# KiCad board Z280-SBC.kicad_pcb (continued)
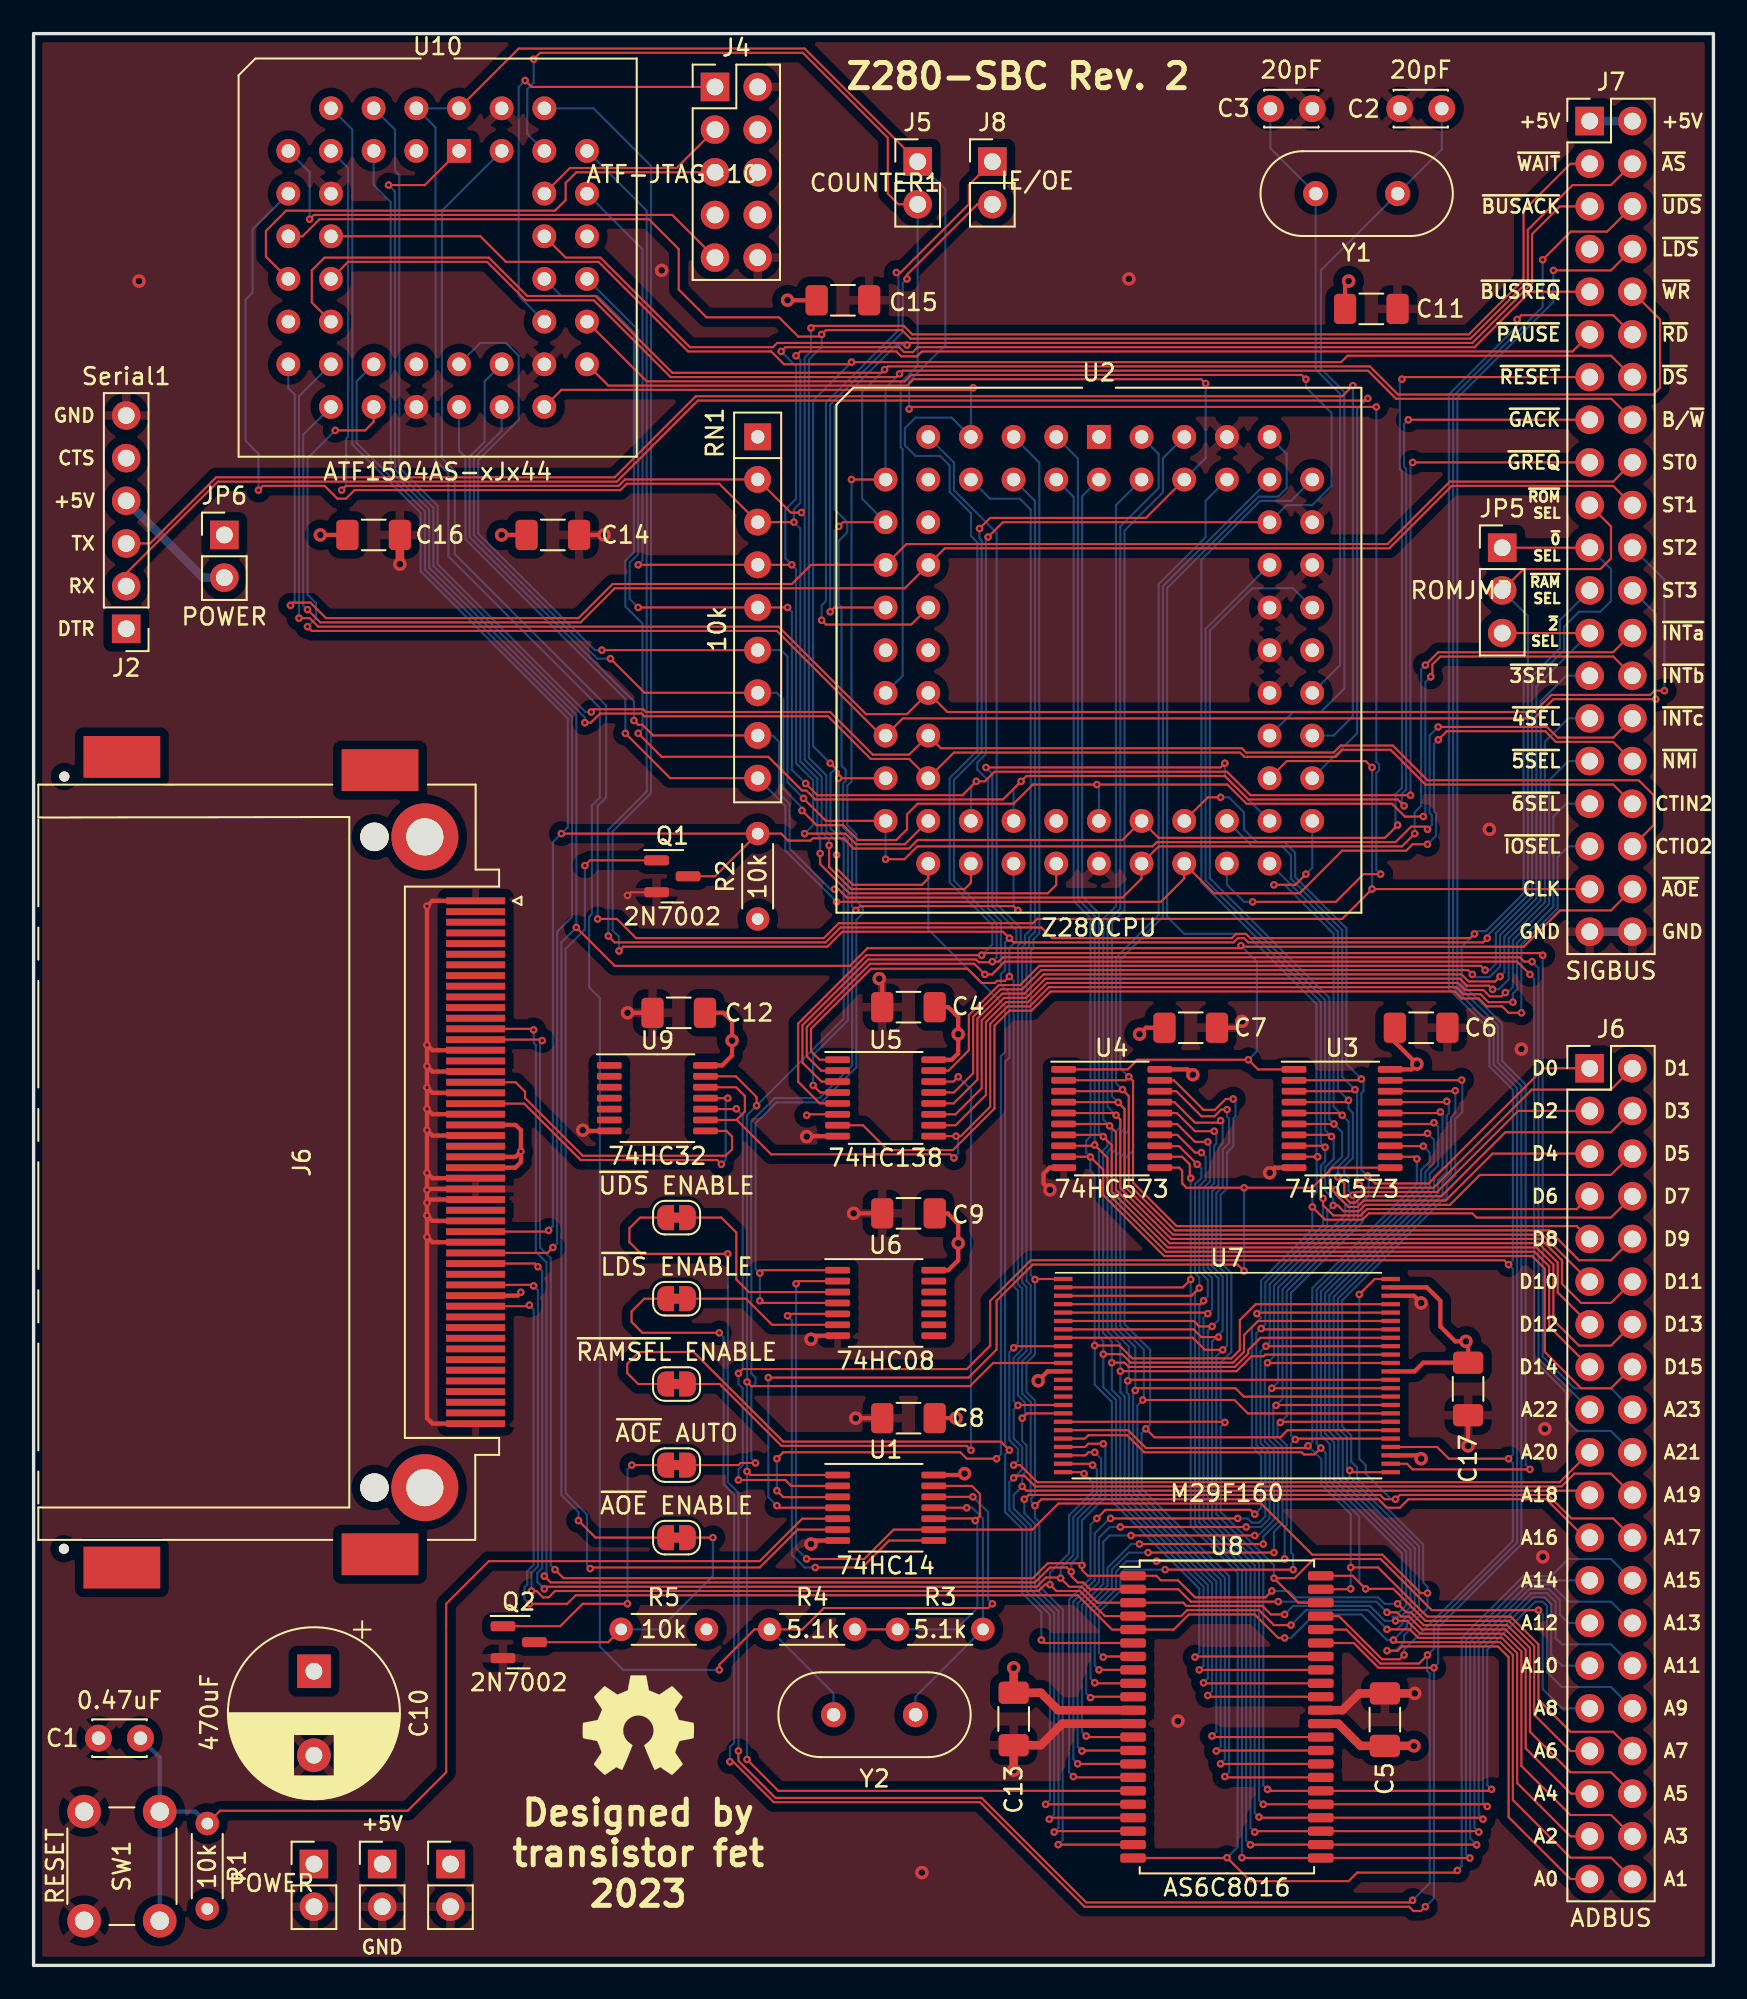
[diagram p0: board, top side]
## Routing (per net, layer and track width the routed paths; a pad name or vN(x,y) marks a point on that pad's centre or on a via; arc(x,y) is an arc through that point) (continued)
~{BUSACK}: length 161.4
  Top w0.127: U10.36 31.67,101.66 33.74,101.66 39.07,96.33 44.02,96.33 44.27,96.58 51.87,96.58 v1(51.99,96.46) 52.12,96.58 85.65,96.58 89.2,100.14 89.2,103.06 90.86,104.71 J7.5 ; v1(48.95,62.8) 49.2,63.06 58.34,63.06 v1(58.6,62.8) ; v1(42.98,29.91) 42.09,29.91 41.96,29.78 JP7.2
  Bottom w0.127: v1(51.99,96.46) 51.35,96.46 47.68,92.79 47.68,86.68 48.44,85.92 48.44,85.3 47.93,84.8 47.93,81.02 48.09,80.86 48.09,71.43 48.35,71.17 48.35,70.5 48.18,70.34 48.18,67.76 48.73,67.21 48.73,63.02 v1(48.95,62.8) 48.73,62.59 48.73,53.57 46.79,51.63 44.12,51.63 42.72,50.23 42.72,35.24 42.98,34.99 42.98,34.65 42.72,34.4 42.72,30.16 v1(42.98,29.91) ; v1(58.6,62.8) 58.34,63.06 U2.31
~{BUSREQ}: length 121
  Top w0.127: v1(44.5,96.08) 44.76,96.33 51.53,96.33 51.82,96.04 52.34,96.04 52.63,96.33 85.78,96.33 89.08,99.63 J7.9 ; v1(45.9,67.37) 48.33,67.37 48.97,66.74 51.87,66.74 U2.28 ; v1(45.14,83.38) RN1.4 v1(35.99,83.38)
  Bottom w0.127: U10.37 36.25,102.17 36.25,83.63 v1(35.99,83.38) ; v1(45.9,67.37) 46.41,67.88 46.41,70.55 45.39,71.57 45.39,83.12 v1(45.14,83.38) 44.76,83.76 44.76,86.68 45.39,87.31 45.39,95.19 v1(44.5,96.08)
~{DS}: length 131.5
  Top w0.127: J7.14 93.9,95.82 78.22,95.82 77.84,95.44 v1(48.69,95.44) 48.57,95.31 44.67,95.31 43.91,96.08 38.97,96.08 33.63,101.41 28.12,101.41 26.59,102.93 U10.12 ; U5.4 46.83,51.96 v1(46.41,52.39) ; v1(47.42,71.57) 47.93,71.06 v1(47.93,70.68) 47.93,70.67 50.72,70.67
  Bottom w0.127: v1(46.41,52.39) 46.41,54.19 48.47,56.26 48.47,67.01 47.93,67.55 47.93,70.67 ; v1(48.69,95.44) 46.41,93.16 46.41,72.58 v1(47.42,71.57)
~{GACK}: length 116.4
  Top w0.127: v1(81.84,92.01) J7.15 ; v1(81.59,69.03) 81.2,69.41 72.31,69.41 70.92,70.8 59.11,70.8 v1(58.79,70.49) 57.71,69.41 46.53,69.41 46,69.94 45.74,69.94 43.74,71.95 37.39,71.95 v1(35.99,73.34)
  Bottom w0.127: U2.32 58.34,70.04 v1(58.79,70.49) ; v1(35.99,73.34) 36.25,73.6 36.25,79.88 35.23,80.9 35.23,83.61 35.74,84.12 35.74,97.22 33.58,99.38 31.42,99.38 U10.34 ; v1(81.84,92.01) 81.59,91.76 81.59,89.22 81.71,89.09 81.71,70 81.46,69.74 81.46,69.15 v1(81.59,69.03)
~{GREQ}: length 111.4
  Top w0.127: v1(45.96,70.36) 46.66,69.66 55.3,69.66 v1(56.12,70.49) 56.63,70.49 57.2,71.06 71.04,71.06 72.44,69.66 v1(81.97,69.66) ; v1(44.88,80.84) RN1.5 v1(35.99,80.84) ; v1(82.09,89.47) J7.17
  Bottom w0.127: v1(45.96,70.36) 45.14,71.18 45.14,80.58 v1(44.88,80.84) ; v1(82.09,89.47) 81.97,89.35 v1(81.97,69.66) ; v1(56.12,70.49) 55.8,70.16 U2.30 ; v1(35.99,80.84) 35.48,81.34 35.48,83.5 35.99,84.01 35.99,97.35 U10.33
~{IE}: length 38.6
  Top w0.127: v1(46.91,80.07) 47.17,79.82 52.25,79.82 53.26,80.83 ; J8.1 55.68,105.98 55.68,104.84 51.61,100.78 v1(51.36,100.78)
  Bottom w0.127: v1(46.91,80.07) 46.91,80.96 47.17,81.22 47.17,93.03 51.49,97.35 51.49,100.65 v1(51.36,100.78)
~{INTa}: length 105.7
  Top w0.127: v1(47.68,64.06) 47.92,64.06 48.42,63.56 64.82,63.56 65.96,64.7 U2.37 66.98,66.61 81.46,66.61 v1(82.22,67.37) ; v1(35.74,74.11) 35.99,73.85 36.25,73.85 36.88,73.22 RN1.8 ; v1(82.85,77.41) 83.62,78.17 94.03,78.17 J7.26
  Bottom w0.127: v1(35.74,74.11) 35.74,75.25 25.96,85.03 25.96,89.81 26.85,90.7 26.85,94.3 U10.27 ; v1(82.22,67.37) 82.22,68.64 82.6,69.03 82.6,77.15 v1(82.85,77.41) ; RN1.8 43.99,73.22 44.37,72.84 44.37,69.77 45.01,69.13 45.01,66.49 47.43,64.06 v1(47.68,64.06)
~{INTb}: length 102.3
  Top w0.127: RN1.7 36.37,75.76 v1(34.34,77.79) ; v1(45.74,68.75) 46.61,67.88 48.19,67.88 49.07,66.99 51.36,66.99 51.99,67.63 51.99,68.52 52.63,69.15 58.34,69.15 59.49,70.3 v1(63.3,70.3) 71.07,70.3 72.21,69.15 80.87,69.15 81.63,68.39 v1(82.73,68.39) ; J7.28 94.03,77.92 83.74,77.92 83.27,77.44 83.27,76.81 v1(83.17,76.71)
  Bottom w0.127: U2.36 63.42,70.17 v1(63.3,70.3) ; v1(34.34,77.79) 33.56,77.79 26.21,85.13 26.21,89.71 27.86,91.36 U10.26 ; v1(82.73,68.39) 82.85,68.52 82.85,76.39 v1(83.17,76.71) ; RN1.7 44.25,75.76 44.63,75.38 44.63,70.04 45.74,68.93 v1(45.74,68.75)
~{INTc}: length 105.9
  Top w0.127: U2.26 47.17,68.13 v1(45.83,69.47) ; v1(82.98,67.63) 82.82,67.79 82,67.79 81.08,66.87 66.86,66.87 66.61,66.61 52.6,66.61 51.84,65.85 v1(50.72,65.85) ; v1(83.62,73.72) 90.09,73.72 90.73,73.09 94.03,73.09 J7.30 ; RN1.6 v1(33.83,78.3)
  Bottom w0.127: v1(83.62,73.72) 83.11,73.22 83.11,68.6 83.24,68.47 83.24,67.88 v1(82.98,67.63) ; U10.25 26.59,96.58 28.12,96.58 28.88,95.82 28.88,92.01 26.47,89.6 26.47,85.24 33.41,78.3 v1(33.83,78.3) ; v1(50.72,65.85) 50.72,65.86 U2.26 ; RN1.6 44.5,78.3 44.88,77.92 44.88,70.42 v1(45.83,69.47)
~{IORD}: length 19.9
  Top w0.127: U9.8 41.24,49.68 41.58,49.34 41.58,48.58 41.2,48.2 32.69,48.2 29.26,51.63 29.26,52.01 28.7,52.57 J1.34
~{IOSEL}: length 61
  Top w0.127: v1(88.57,56.71) 87.81,56.71 87.43,57.09 86.5,57.09 86.03,57.56 85.01,57.56 84.59,57.98 60.54,57.98 59.4,56.83 58.09,56.83 57.2,55.94 57.2,51.01 54.72,48.54 50.85,48.54 49.37,50.01 U5.7
  Bottom w0.127: J7.35 91.36,66.61 90.73,65.98 90.73,62.93 88.57,60.77 v1(88.57,56.71)
~{IOWR}: length 21.5
  Top w0.127: v1(41.33,51.63) U9.11 ; 26.32,51.3 29.21,51.3 32.56,47.94 40.69,47.94 v1(40.95,47.69)
  Bottom w0.127: v1(40.95,47.69) 41.2,47.94 41.2,51.5 v1(41.33,51.63)
~{LDS}: length 195.9
  Top w0.127: v1(41.45,12.12) 41.65,12.12 44.06,9.72 56.33,9.72 62.56,3.49 81.88,3.49 82.14,3.24 82.6,3.24 v1(82.85,3.49) ; v1(83.36,17.72) 80.06,17.72 78.59,19.19 76.63,19.19 ; JP3.2 36.36,39.69 35.6,38.93 35.6,38.31 36.25,37.66 v1(40.82,37.66) ; J7.8 93.9,100.9 v1(90.47,100.9)
  Bottom w0.127: v1(40.82,37.66) 41.07,37.4 41.07,28.64 41.71,28 41.71,13.25 41.45,13 v1(41.45,12.12) ; v1(82.85,3.49) 83.36,4 v1(83.36,17.72) 83.62,17.97 83.62,20.11 88.57,25.06 88.57,52.33 87.17,53.73 87.17,55.94 84.76,58.36 84.76,93.3 90.47,99.02 v1(90.47,100.9)
~{NMI}: length 99.5
  Top w0.127: v1(83.62,72.96) 84.12,73.47 89.99,73.47 90.62,72.84 94.03,72.84 J7.32 ; v1(47.8,63.31) 67.11,63.31 68.5,64.7 U2.39 70.27,63.82 75.36,63.82 77.9,66.36 81.71,66.36 82.09,66.74 v1(82.98,66.74) ; RN1.9 37.9,70.68 v1(35.23,73.34)
  Bottom w0.127: U10.24 25.32,90.17 25.71,89.79 25.71,84.9 35.23,75.38 v1(35.23,73.34) ; v1(83.62,72.96) 83.36,72.71 83.36,68.71 83.49,68.58 83.49,67.25 v1(82.98,66.74) ; v1(47.8,63.31) 44.76,66.36 44.76,69.03 RN1.9
~{OE}: length 32.2
  Top w0.127: v1(47.42,80.58) 47.67,80.83 50.72,80.83 ; J8.2 56.19,104.84 51.99,100.65 v1(51.99,100.39)
  Bottom w0.127: v1(47.42,80.58) 47.42,92.91 51.74,97.23 51.74,100.14 v1(51.99,100.39)
~{PAUSE}: length 148.1
  Top w0.127: v1(13.39,87.82) 13.64,88.08 17.32,88.08 18.09,87.31 18.59,87.31 19.1,87.82 34.93,87.82 35.31,88.2 40.82,88.2 RN1.3 v1(45.26,85.92) ; v1(45.39,95.82) 45.64,96.08 51.36,96.08 51.65,95.79 52.59,95.79 52.88,96.08 91.62,96.08 J7.11 ; U2.33 60.88,64.32 60.38,63.82 48.57,63.82 46.82,65.56 v1(46.82,66.2)
  Bottom w0.127: U10.9 13.04,103.35 13.04,99.59 12.62,99.17 12.62,90.74 13.39,89.98 v1(13.39,87.82) ; v1(45.39,95.82) 45.64,95.57 45.64,87.06 45.26,86.68 v1(45.26,85.92) 45.64,85.54 45.64,71.67 46.66,70.66 46.66,67.33 46.82,67.17 v1(46.82,66.2)
~{RAMSEL}: length 209.1
  Top w0.127: JP4.2 35.99,34.61 35.34,35.26 35.34,35.81 36.05,36.51 39.29,36.51 44.63,31.18 57.58,31.18 v1(58.09,30.67) ; v1(86.54,61.15) 86.28,60.9 72.31,60.9 72.06,61.15 71.69,61.15 71.44,60.9 58.34,60.9 v1(58.09,61.15) 57.71,61.53 48.14,61.53 47.25,60.64 35.1,60.64 v1(34.85,60.39) ; 65.45,19.19 60.17,19.19 v1(59.99,19.37)
  Bottom w0.127: v1(34.85,60.39) 34.85,61.23 34.47,61.62 34.47,67.5 36.75,69.79 36.75,107.13 33.32,110.55 U10.40 ; v1(59.99,19.37) 59.99,21.02 58.85,22.16 58.85,25.97 57.84,26.99 57.84,30.42 v1(58.09,30.67) 57.84,30.93 57.84,53.79 58.09,54.05 58.09,57.87 57.58,58.38 57.58,59.01 57.84,59.27 57.84,60.9 v1(58.09,61.15) ; v1(86.54,61.15) 86.54,61.3 88.95,63.71 88.95,76.5 90.86,78.4 90.86,80.07 J7.23
~{RD}: length 187.5
  Top w0.127: J7.12 94.03,98.24 88.57,98.24 v1(88.32,97.98) ; 80.79,30.86 83.55,30.86 84.25,30.16 v1(87.81,30.16) ; v1(87.81,41.72) 87.55,41.97 59.36,41.97 56.95,39.56 56.95,36.89 55.55,35.5 42.21,35.5 v1(41.96,35.24) ; v1(41.96,28.89) 44.76,28.89 45.11,28.54 U1.2 ; 76.63,20.79 77.71,20.79 80.27,18.23 81.33,18.23 v1(81.59,18.48) ; U9.10 41.82,50.98 v1(41.83,50.99)
  Bottom w0.127: v1(81.59,18.48) 81.59,18.8 88.06,25.27 88.06,29.91 v1(87.81,30.16) 88.06,30.42 88.06,41.47 v1(87.81,41.72) 88.06,41.97 88.06,52.12 86.66,53.52 86.66,55.71 84.25,58.13 84.25,93.52 88.32,97.58 v1(88.32,97.98) ; v1(41.83,50.99) 42.21,50.61 42.21,35.5 v1(41.96,35.24) 41.96,34.61 42.21,34.35 42.21,29.78 41.96,29.53 v1(41.96,28.89)
~{RESET}: length 172.5
  Top w0.127: v1(30.66,43.75) 30.59,43.68 J1.41 ; R2.2 44.5,67.37 44.92,66.96 46.24,66.96 46.38,67.09 48.21,67.09 48.82,66.49 52.12,66.49 52.63,66.99 64.82,66.99 U2.38 66.97,67.12 80.44,67.12 v1(81.2,67.88) ; R2.2 v1(31.42,67.37) ; R2.2 40.56,64.83 Q1.3 ; v1(81.46,94.43) 81.59,94.55 J7.13
  Bottom w0.127: U10.6 18.97,109.28 18.97,90.53 23.04,86.47 23.04,83 31.8,74.23 31.8,67.76 v1(31.42,67.37) 30.91,66.87 30.91,44.01 v1(30.66,43.75) ; v1(81.46,94.43) 81.33,94.3 81.33,89.06 81.46,88.93 81.46,70.1 81.08,69.72 81.08,68.01 v1(81.2,67.88)
~{ROMSEL}: length 177.8
  Top w0.127: J7.19 93.9,85.66 93.9,83.76 93.27,83.12 88.7,83.12 JP5.2 ; v1(34.21,61.28) 34.6,60.9 47.15,60.9 48.04,61.79 59.99,61.79 60.63,61.15 71.33,61.15 71.59,61.41 72.17,61.41 72.42,61.15 85.52,61.15 v1(85.78,61.41) ; v1(89.08,29.53) 82.09,29.53 81.76,29.86 80.79,29.86
  Bottom w0.127: JP5.2 88.95,80.33 88.95,76.9 88.7,76.65 88.7,63.82 86.45,61.57 85.94,61.57 v1(85.78,61.41) 85.01,60.64 85.01,58.46 87.43,56.05 87.43,53.83 88.82,52.44 88.82,29.78 v1(89.08,29.53) ; v1(34.21,61.28) 34.21,67.61 36.5,69.89 36.5,104.46 U10.39
~{UDS}: length 201.7
  Top w0.127: JP2.2 36.1,44.51 35.47,43.88 35.47,43.05 36.17,42.36 v1(41.33,42.36) ; v1(82.09,3.88) 81.97,3.75 62.66,3.75 56.44,9.97 44.16,9.97 41.96,12.17 v1(41.96,12.76) ; v1(82.98,18.48) 82.47,17.97 80.17,17.97 78.15,19.99 76.63,19.99 ; v1(89.84,101.54) 91.52,103.21 93.67,103.21 J7.6
  Bottom w0.127: v1(89.84,101.54) 89.84,98.74 84.51,93.41 84.51,58.23 86.92,55.82 86.92,53.62 88.32,52.23 88.32,25.17 83.36,20.21 83.36,18.86 v1(82.98,18.48) 82.95,18.44 82.95,17.55 83.11,17.38 83.11,4.89 v1(82.09,3.88) ; v1(41.33,42.36) 41.33,28.77 41.96,28.13 v1(41.96,12.76)
~{WAIT}: length 145.7
  Top w0.127: U2.29 55.8,64.45 55.42,64.07 48.67,64.07 47.36,65.38 v1(47.36,66.68) ; v1(45.71,86.49) 45.07,86.49 RN1.2 35.21,88.46 34.83,88.08 18.59,88.08 v1(18.34,87.82) ; J7.3 91.49,107.25 88.7,104.46 88.7,100.35 85.44,97.09 52.31,97.09 51.8,97.6 46.41,97.6 v1(46.28,97.47)
  Bottom w0.127: v1(18.34,87.82) 18.61,88.09 18.61,90.88 18.72,91 18.72,107 U10.8 ; v1(46.28,97.47) 46.28,96.08 45.9,95.7 45.9,86.68 v1(45.71,86.49) 45.9,86.3 45.9,71.78 46.91,70.76 46.91,67.44 47.36,66.99 v1(47.36,66.68)
Net-(C1-Pad1): length 65.4
  Top w0.127: R1.2 11.1,9.21 22.28,9.21 24.56,11.49 24.56,21.53 27.1,24.07 43.23,24.07 45.76,26.59 U1.5
  Bottom w0.254: R1.2 9.63,9.16 SW1.2 ; SW1.2 7.51,12.38 C1.1 ; SW1.2 SW1.2
Net-(C2-Pad2): length 43.7
  Bottom w0.127: C2.2 83.83,108.1 Y1.1 76.63,100.9 76.63,95.06 78.03,93.66 78.03,76.01 76.63,74.61 74.98,74.61 U2.49
Net-(C3-Pad2): length 37.2
  Bottom w0.127: C3.2 73.62,108.17 Y1.2 76.32,95.01 77.78,93.56 77.78,77.41 U2.50
Net-(J2-Pad4): length 7.7
  Bottom w0.508: J2.4 10.08,82.61 JP6.2
Net-(J4-Pad1): length 26.6
  Top w0.127: J4.1 29.64,111.82 v1(29.26,112.21)
  Bottom w0.127: U10.32 28.88,99.38 28.88,111.82 v1(29.26,112.21)
Net-(J4-Pad3): length 11.7
  Top w0.127: U10.38 31.93,107 38.28,107 J4.3
Net-(J4-Pad5): length 32.2
  Top w0.127: U10.13 13.83,101.73 13.83,103.25 15.04,104.46 31.04,104.46 31.67,105.09 31.67,106.11 32.31,106.74 40.55,106.74 40.56,106.74
Net-(J4-Pad9): length 29.9
  Top w0.127: 40.56,101.66 40.56,101.67 38.02,104.2 16.69,104.2 v1(16.43,103.95)
  Bottom w0.127: U10.7 16.43,106.74 v1(16.43,103.95)
Net-(JP1-Pad2): length 16
  Top w0.127: R5.2 34.21,19.24 Q2.3 ; JP1.2 v1(40.44,25.46)
  Bottom w0.127: v1(40.44,25.46) 40.44,23.18 37.26,20 R5.2
Net-(JP2-Pad1): length 12.4
  Top w0.127: U6.3 42.58,40.08 41.83,40.83 41.83,43.63 40.95,44.51 JP2.1
Net-(JP3-Pad1): length 9.6
  Top w0.127: U6.6 43.96,38.13 42.41,39.69 JP3.1
Net-(JP4-Pad1): length 42.6
  Top w0.127: v1(55.04,52.9) 54.76,52.61 U5.14 ; v1(55.8,30.67) 55.55,30.93 44.52,30.93 40.84,34.61 JP4.1
  Bottom w0.127: v1(55.04,52.9) 55.8,52.13 v1(55.8,30.67)
Net-(JP7-Pad1): length 18.3
  Top w0.127: Q2.1 31.35,20.19 32.69,21.53 v1(35.36,21.53) ; v1(35.61,29.78) JP7.1
  Bottom w0.127: v1(35.61,29.78) 35.36,29.53 v1(35.36,21.53)
Net-(Q1-Pad1): length 63
  Top w0.127: Q1.1 33.13,65.78 v1(32.82,65.47) ; U1.6 45.49,25.94 43.23,23.69 33.2,23.69 v1(33.13,23.62)
  Bottom w0.127: v1(33.13,23.62) 32.94,23.81 32.94,26.84 31.67,28.11 31.67,60.52 32.82,61.66 v1(32.82,65.47)
Net-(R3-Pad1): length 20.3
  Top w0.127: U1.10 53.6,26.61 55.93,26.61 v1(56.06,26.48) 56.33,26.76 56.33,28.07 55.86,28.54 U1.13 ; R4.2 R3.1
  Bottom w0.127: v1(56.06,26.48) 56.19,26.35 56.19,21.27 54.91,20 R3.1
Net-(R3-Pad2): length 16.5
  Top w0.127: U1.11 v1(55.55,27.24)
  Bottom w0.127: Y2.1 52.5,15.99 R3.2 56.51,26.62 55.89,27.24 v1(55.55,27.24)
Net-(U1-Pad8): length 26.8
  Top w0.127: U1.8 50.93,25.29 49.33,23.69 v1(46.53,23.69) ; U6.5 44.99,38.78 v1(44.88,38.67)
  Bottom w0.127: v1(46.53,23.69) 45.9,23.69 45.14,24.45 45.14,38.42 v1(44.88,38.67)

## Copper pours and planes (outline as drawn; the poured copper is in the pictures)
+5V on In1.Cu: 100,-0.06 0.05,-0.06 0.05,115 100,115
GND on Top: 100,-0.06 0.05,-0.06 0.05,115 100,115
GND on Bottom: 100,115 100,-0.06 0.05,-0.06 0.05,115
GND on In2.Cu: 100,-0.06 0.05,-0.06 0.05,115 100,115

## Text on the board
F.Silkscreen: ~{2} / SEL | ~{ROM} / SEL | ~{0} / SEL | ~{RAM} / SEL | CTIN2 | CTIO2 | +5V | ~{AS} | ~{UDS} | ~{LDS} | ~{WR} | ~{RD} | ~{DS} | B/~{W} | ST0 | ST1 | ST2 | ST3 | ~{INTa} | ~{INTb} | ~{INTc} | ~{NMI} | ~{AOE} | GND | D1 | D3 | D5 | D7 | D9 | D11 | D13 | D15 | A23 | A21 | A19 | A17 | A15 | A13 | A11 | A9 | A7 | A5 | A3 | A1 | CTS | TX | RX | DTR | ~{3SEL} | D0 | D2 | D4 | D6 | D8 | D10 | D12 | D14 | A22 | A20 | A18 | A16 | A14 | A12 | A10 | A8 | A6 | A4 | A2 | A0 | ~{WAIT} | ~{BUSACK} | ~{BUSREQ} | ~{PAUSE} | ~{RESET} | ~{GACK} | ~{GREQ} | ~{4SEL} | ~{5SEL} | ~{6SEL} | ~{IOSEL} | CLK | Designed by / transistor fet / 2023 | Z280-SBC Rev. 2
